# Altium PCB STM32H743VIT6_Test_B'd.PcbDoc (part 2 of 2)
Units mm, origin at the board's own origin, x right, y up, seen from the top; angles counter-clockwise.
Board outline 180 x 120 mm, 4 copper layers (Top, Inner Layer 1, Inner Layer 2, Bottom), stack 1.97 mm thick; 153 components, 129 nets, 607 pads, 708 vias.
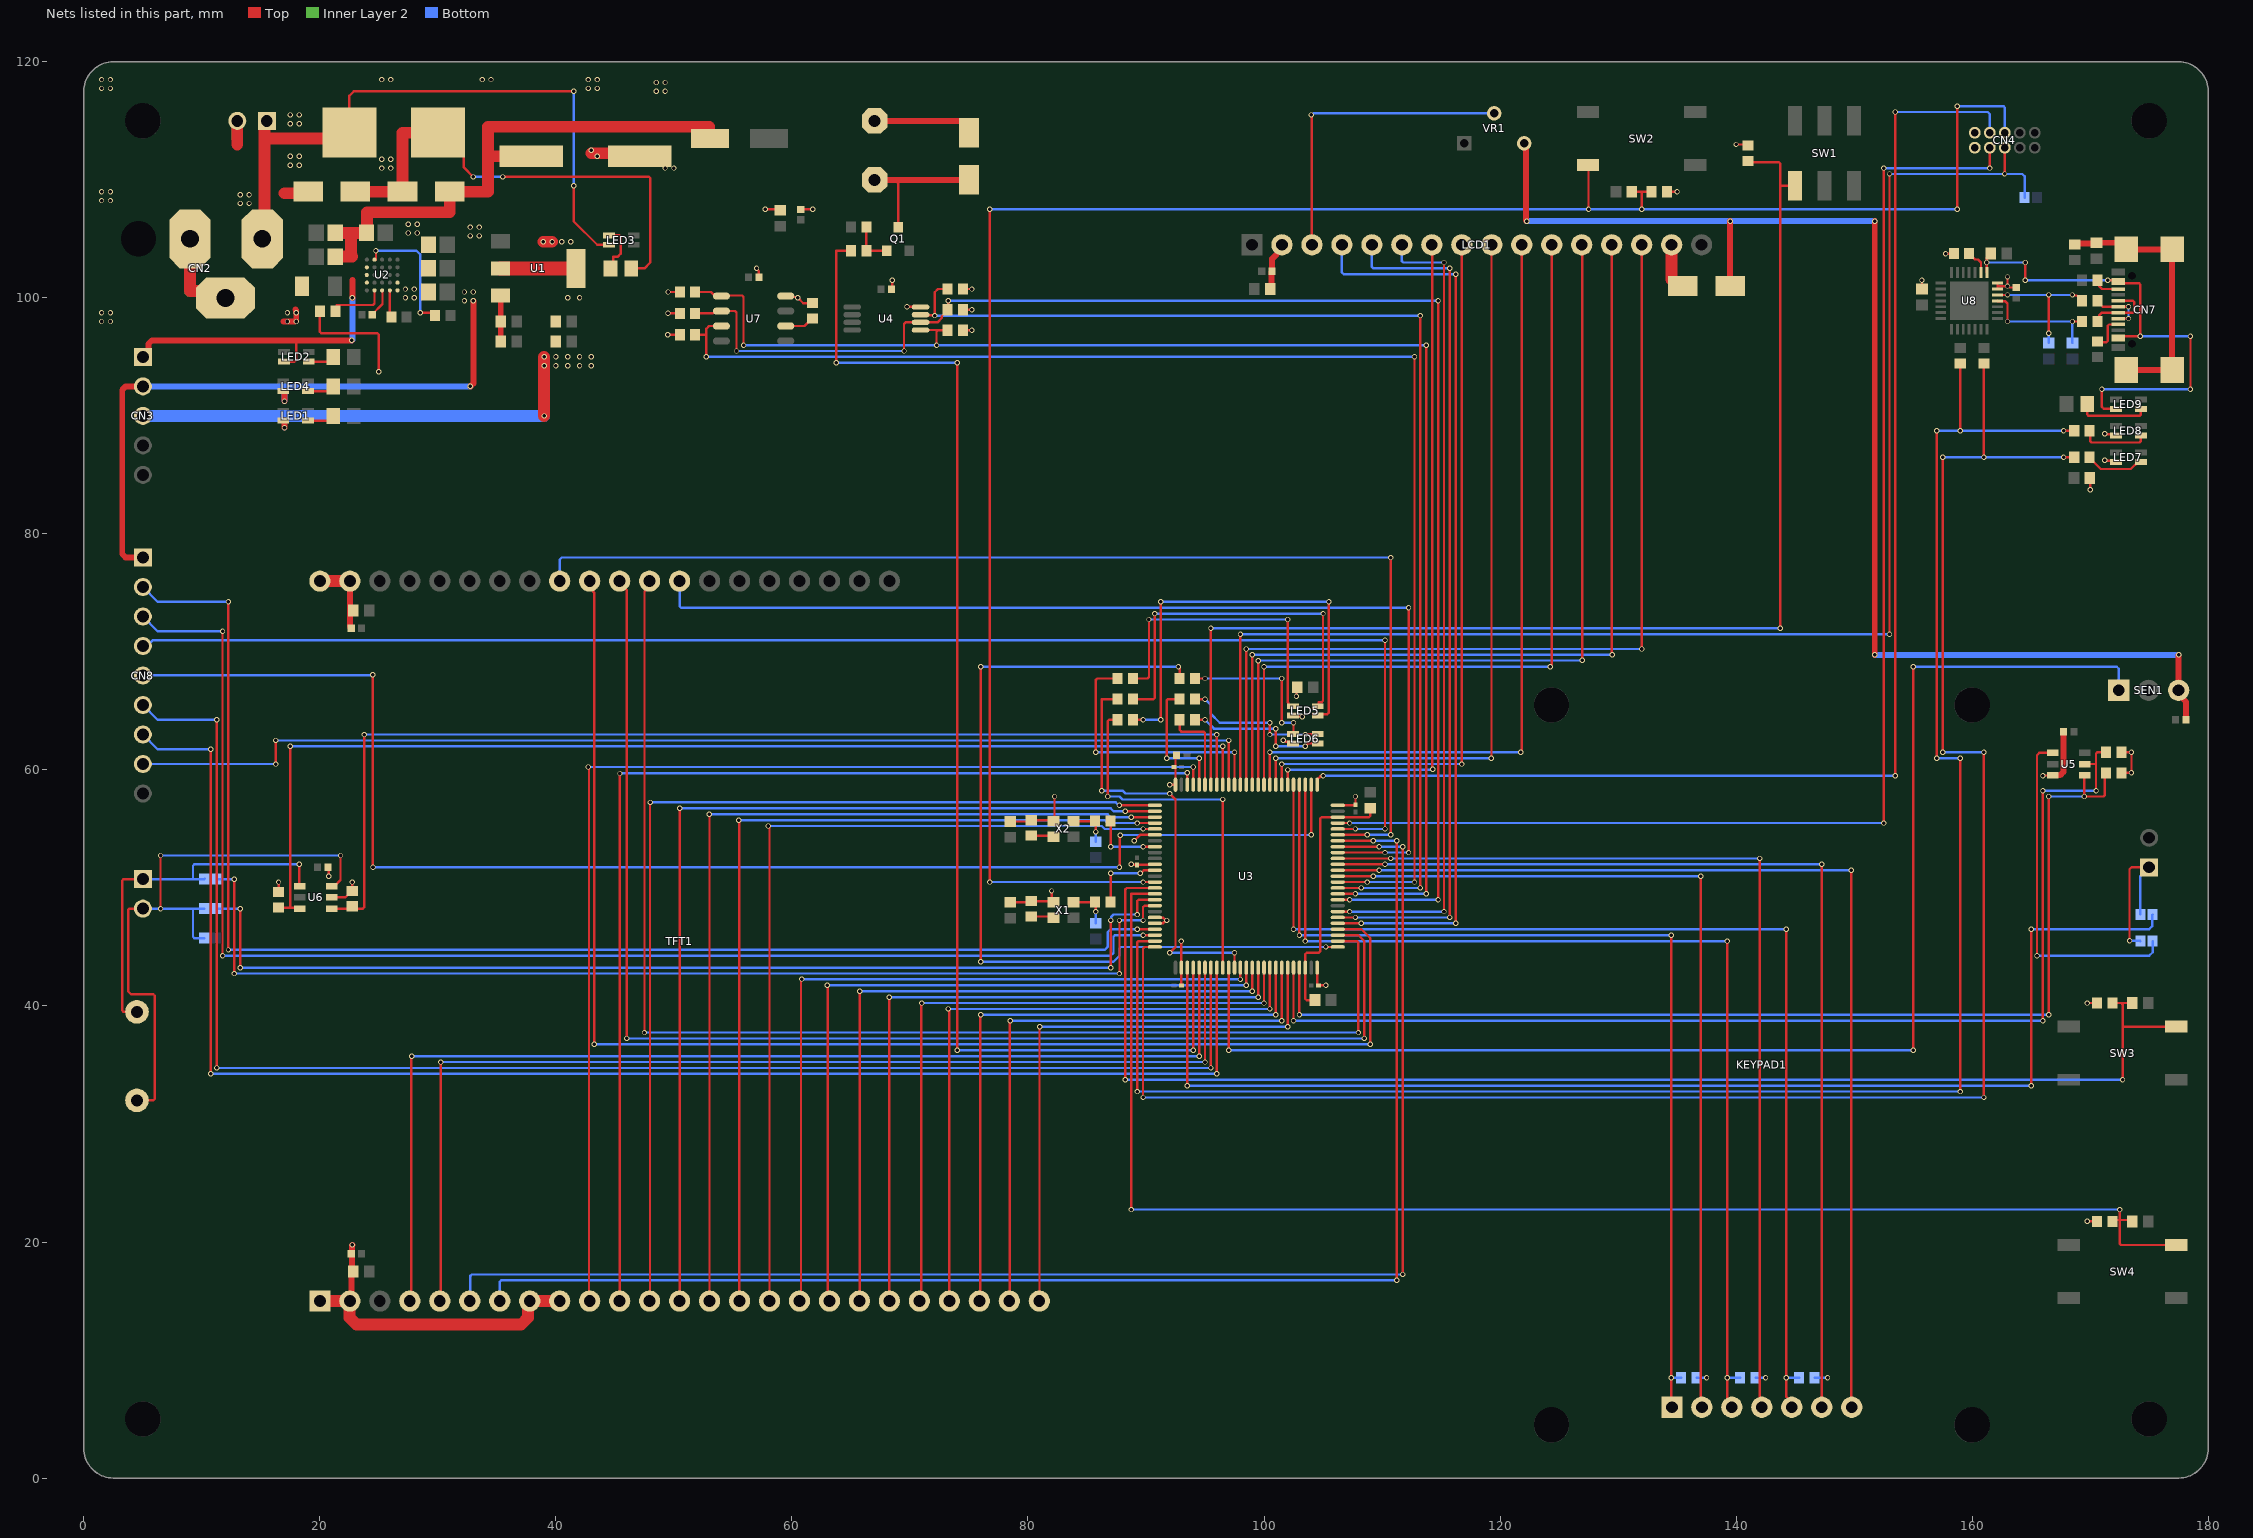
[diagram p4: the nets of this part, all layers, seen from the top]

## Via types
v1: diameter 0.45, hole 0.3, Top to Bottom, tented both sides, 699 vias
v2: diameter 0.5, hole 0.2, Top to Bottom, 9 vias

## Nets (pads, with @x,y where several pads share a name; then routed paths per layer and width w, separated by ;. In a path a pad name is that pad's centre, name@x,y a point inside that pad or via, vN(x,y) a via of type N, cw(c..) or ccw(c..) an arc to the next point about the centre after c; other vN are vias at no path point) (continued)
DP3.3VS: C3.2 C4.2 C13.2 C15.2 C17.2 C18.2 C19.2 C20.2 C21.2 C22.2 C25.2 C26.1 C31.2 C32.2 C33.2 C34.2 C38.2 C39.2 C40.2 C44.1 C45.2 C47.2 CN3.3 CN4.1 CN4.2 LED1.4 LED5.4 LED6.4 LED7.4 LED8.4 R6.2 R11.2 R13.2 R14.2 R15.2 R16.2 R17.2 R18.2 R21.2 R22.2 R29.2 R30.2 R31.2 R32.2 R33.1 R34.1 R35.1 R36.2 R37.2 R38.2 R39.2 R40.1 TFT1.1 TFT1.2 TFT1.8 TFT1.9 TFT1.26 TFT1.27 U1.2 U1.4 U3.6 U3.11 U3.20 U3.21 U3.27 U3.50 U3.75 U3.100 U4.8 U5.3 U6.5 U7.8 U8.6 U8.7 X1.4 X2.4 | length 160.1
  Top w0.2: R31.2@16.5,49.65 v1(16.5,50.5) ; R6.2@20.005,98.861 20,98.856 20,97.117 20.117,97 24.883,97 25,96.883 v1(25,93.75) ; C39.2@20.69,51.75 20.75,51.69 v1(20.75,51) ; U6.5@21,49.2 22.15,49.2 22.7,49.75 R32.2@22.75,49.75 v1(22.75,50.5) ; v1(49.487,96.871) 50.499,96.871 R37.2@50.5,96.87 ; v1(49.496,98.687) 50.498,98.687 R38.2@50.5,98.689 ; v1(49.5,100.5) R39.2@50.5,100.5 ; v1(57,102.5) 57,102.457 57.19,102.267 C40.2@57.19,101.75 ; U7.8@59.475,100.155 59.552,100.078 60.354,100.078 60.432,100 v1(60.5,100) 60.95,99.55 R36.2@61.75,99.55 ; C25.2@68.44,100.75 68.5,100.81 v1(68.5,101.5) ; v1(69.75,99.25) 69.762,99.238 70.888,99.238 U4.8@70.9,99.225 ; R17.2@74.5,97.25 v1(75.25,97.25) ; R16.2@74.5,99 v1(75.25,99) ; R18.2@74.5,100.75 v1(75.25,100.75) ; C13.2@78.5,48.778 80.175,48.778 R11.2@80.28,48.883 X1.4@82.045,48.883 ; C15.2@78.5,55.634 80.175,55.634 R13.2@80.28,55.739 82.011,55.739 82.25,55.978 v1(82.25,57.75) ; v1(82,49.75) 82,48.928 X1.4@82.045,48.883 ; X1.4@82.15,48.778 X1.4@82.045,48.883 ; X2.4@82.15,55.65 X2.4@82.5,56 ; v1(88.75,52) 88.78,51.97 89.22,51.97 C18.2@89.25,51.94 89.291,51.981 90.731,51.981 U3.11@90.75,52 ; v1(89,54) 89.5,54.5 U3.6@90.75,54.5 ; U3.21@90.75,47 90.769,47.019 91.451,47.019 v1@91.682,47.25 ; U3.20@90.75,47.5 90.769,47.481 91.451,47.481 v1@91.682,47.25 ; v1(91.75,47.25) v1@91.682,47.25 ; v1(92,58.75) U3.100@92.5,58.75 92.5,61.15 C17.2@92.6,61.25 ; C19.2@93,41.75 U3.27@93,43.25 v1(93,45.5) ; v1(101.633,62.52) 101.7,62.52 101.82,62.4 102.3,62.4 LED6.4@102.45,62.25 ; LED5.4@102.45,64.6 102.502,64.548 103.202,64.548 v1(103.25,64.5) ; v1(102.75,66.25) 102.75,66.925 C26.1@102.825,67 ; U3.50@104.5,43.25 104.5,41.845 104.595,41.75 C20.2@104.62,41.75 v1(105.25,41.75) ; U3.75@106.25,57 106.269,57.019 107.709,57.019 C21.2@107.75,57.06 v1(107.75,57.75) ; R15.2@134.15,109 v1(135,109) ; v1(140,113) 140.9,113 R14.2@141,112.9 ; C45.2@155.75,100.75 v1(155.75,101.5) ; v1(157.75,103.75) R40.1@158.45,103.75 ; U8.6@162.15,100.75 162.15,101 ; U8.7@162.15,101.25 162.15,101 ; v1(163,101.773) v1(163,101) ; C47.2@163.75,100.88 163.188,100.88 163.068,101 v1(163,101) ; v1(166,59.5) 166.025,59.525 166.815,59.525 U5.3@166.84,59.55 ; v1(169.75,21.75) R22.2@170.6,21.75 ; v1(169.75,40.25) R21.2@170.6,40.25 ; C44.1@169.98,84.75 170,84.73 v1(170,83.75) ; v1(171.25,86.25) 171.298,86.202 172.098,86.202 LED7.4@172.2,86.1 ; v1(171.25,88.5) 171.298,88.452 172.098,88.452 LED8.4@172.2,88.35 ; R30.2@172.65,59.75 v1(173.5,59.75) v1(173.5,61.5) R29.2@172.65,61.5 ; 162.15,101 v1(163,101)
  Top w0.5: LED1.4@16.9,89.6 17,89.6 v1(17,89) ; TFT1.2@22.54,15 22.682,15.142 22.682,17.358 C32.2@22.825,17.5 22.71,17.615 22.71,18.95 C34.2@22.66,19 22.71,19.05 22.71,19.71 v1(22.75,19.75) ; TFT1.27@22.54,76 22.54,72.14 22.66,72.02 C33.2@22.66,72 ; U5.3@166.84,59.55 167.457,59.55 167.75,59.843 C38.2@167.75,63.25
  Top w1: TFT1.1@20,15 TFT1.2@22.54,15 22.52,14.98 22.52,13.586 23.106,13 37.041,13 37.627,13.586 37.627,14.847 TFT1.8@37.78,15 TFT1.9@40.32,15 ; TFT1.26@20,76 TFT1.27@22.54,76 ; v1(38.921,104.765) v1(39.671,104.765) ; v1(39,90) v1(39,95)
  Top w1.2: U1.2@35.3,102.5 U1.4@41.7,102.5
  Bottom w0.2: R34.1@136.65,8.5 v1(137.5,8.5) ; R33.1@141.65,8.5 v1(142.5,8.5) ; R35.1@146.65,8.5 v1(147.75,8.5)
  Bottom w1: CN3.3@5,90 v1(39,90)
  other v1: 39,94.25 40,94.25 41,94.25 42,94.25 43,94.25 40,95 41,95 42,95 43,95 41,100 42,100 40.5,104.75 41.25,104.75
DP5VS: BZ1.1 C1.2 C2.2 C8.2 C9.2 C10.2 C29.2 C30.2 C35.2 C36.2 C37.2 CN3.2 CN8.1 D2.1 D3.2 LCD1.2 LED4.4 SEN1.3 U1.3 U2.E1 U2.E2 VR1.3 | length 183.9
  Top w0.2: v1(57.75,107.5) 58.925,107.5 C35.2@59,107.425 ; C37.2@60.75,107.5 v1(61.75,107.5)
  Top w0.5: CN8.1@5,78 3.543,78 3.25,78.293 3.25,92.207 3.543,92.5 CN3.2@5,92.5 ; LED4.4@16.9,92.1 17,92.1 v1(17,91.25) ; v1(32.75,92.5) 33,92.75 v1(33,99.75) ; U1.3@35.3,100.2 35.325,100.175 C1.2@35.325,98 C2.2@35.325,96.3 ; BZ1.1@67,115 74.4,115 75,114.4 D3.2@75,114 ; C29.2@100.525,100.75 100.64,100.865 100.64,102.2 C30.2@100.69,102.25 100.69,103.32 101.52,104.15 LCD1.2@101.52,104.5 ; VR1.3@122.04,113.093 122.202,112.931 122.202,106.548 v1(122.25,106.5) ; D2.1@139.5,101 v1(139.5,106.5) ; v1(151.75,69.75) v1(151.75,106.5) ; v1(177.5,69.75) SEN1.3@177.5,66.75 177.5,66.398 178.13,65.768 C36.2@178.13,64.25
  Bottom w0.5: CN3.2@5,92.5 17,92.5 ; v1(17,91.25) 17,92.5 ; v1(32.75,92.5) 17,92.5 ; v1(122.25,106.5) v1(139.5,106.5) v1(151.75,106.5) ; v1(151.75,69.75) v1(177.5,69.75)
  other v1: 32.25,99.75 27.25,100 28,100 32.25,100.5 33,100.5 27.25,100.75 28,100.75 32.75,105.25 33.5,105.25 27.5,105.5 28.25,105.5 32.75,106 33.5,106 27.5,106.25 28.25,106.25
EXT_12MHZ_CLK: R10.1 U3.12 | length 6.3
  Top w0.2: R10.1@86.987,48.803 87,48.816 v1(87,51.25) ; v1(89.5,51.25) 89.568,51.25 89.818,51.5 U3.12@90.75,51.5
  Bottom w0.2: v1(87,51.25) v1(89.5,51.25)
EXT_32.768KHZ_CLK: R12.1 U3.8 | length 5.9
  Top w0.2: R12.1@86.987,55.675 87,55.662 v1(87,53.5) ; v1(89.75,53.5) U3.8@90.75,53.5
  Bottom w0.2: v1(87,53.5) v1(89.75,53.5)
EXT_ANALOG_SIG_N: CN6.2 SB3.2 SB5.1 TP1.1 U6.6 | length 52.3
  Top w0.2: TP1.1@4.5,32 5.883,32 6,32.117 6,40.883 5.883,41 4,41 3.75,41.25 3.75,48.133 3.867,48.25 CN6.2@5,48.25 ; v1(6.5,48.25) v1(6.5,52.75) ; U6.6@21,50.15 21.225,50.15 21.75,50.675 v1(21.75,52.75)
  Bottom w0.2: CN6.2@5,48.25 v1(6.5,48.25) 9.25,48.25 ; v1(6.5,52.75) v1(21.75,52.75) ; SB3.2@10.2,45.75 9.367,45.75 9.25,45.867 9.25,48.25 ; SB5.1@10.2,48.25 9.25,48.25
EXT_ANALOG_SIG_OUT: CN5.1 SB2.2 SB6.2 | length 13
  Top w0.2: v1(173.339,45.536) 173.339,51.589 173.5,51.75 CN5.1@175,51.75
  Bottom w0.2: v1(173.339,45.536) 174.214,45.536 SB6.2@174.25,45.5 ; SB2.2@174.25,47.75 174.25,51 CN5.1@175,51.75
EXT_ANALOG_SIG_P: CN6.1 SB4.1 TP2.1 U6.1 | length 31.4
  Top w0.2: TP2.1@4.5,39.5 3.367,39.5 3.25,39.617 3.25,50.633 3.367,50.75 CN6.1@5,50.75 ; v1(18.25,52) 18.25,50.2 U6.1@18.3,50.15
  Bottom w0.2: CN6.1@5,50.75 9.25,50.75 ; SB4.1@10.25,50.8 SB4.1@10.2,50.75 9.25,50.75 ; v1(18.25,52) 9.367,52 9.25,51.883 9.25,50.75
GNDPWR: CN1.2 CN2.2 CN2.3 EC1.2 R1.1 ZD1.1 | length 27.1
  Top w0.5: 16.921,98.015 17.235,98.015 v1(17.25,98) 17.906,98 18,98.094 v1(18,98.75) 17.979,98.771 17.979,98.956 17.921,99.015
  Top w1: CN2.3@9,105 9,100.586 11.408,100.586 CN2.2@11.997,99.996 ; 13,113 CN1.2@13,115 ; 17,108.873 18.873,108.873 ZD1.1@19,109 ; 43,112.25 46.85,112.25 EC1.2@47.1,112
  Inner Layer 2 w1: CN2.3@9,105 9,100.582 11.411,100.582 CN2.2@11.997,99.996 ; 13,113.5 CN1.2@13,115
  other v1: 1.5,98 2.25,98 18,98 1.5,98.75 2.25,98.75 17.25,98.75 13.25,108 14,108 1.5,108.25 2.25,108.25 13.25,108.75 14,108.75 1.5,109 2.25,109 25.25,111 26,111 49.25,111 50,111 17.5,111.25 18.25,111.25 25.25,111.75 26,111.75 17.5,112 18.25,112 43.5,112 43,112.5 17.5,114.75 18.25,114.75 17.5,115.5 18.25,115.5 48.5,117.5 49.25,117.5 1.5,117.75 2.25,117.75 42.75,117.75 43.5,117.75 48.5,118.25 49.25,118.25 1.5,118.5 2.25,118.5 25.25,118.5 26,118.5 33.75,118.5 34.5,118.5 42.75,118.5 43.5,118.5
IN24VS: CN1.1 CN2.1 FH1.1 LED3.4 | length 54.7
  Top w0.2: FH1.1@22.5,114 22.5,117.133 22.867,117.5 v1(41.5,117.5) ; v1(41.5,109.5) 41.5,106.5 43.5,104.5 LED3.4@44.5,104.5
  Top w1: CN2.1@15.121,105 15.311,105.189 15.311,113.5 ; CN1.1@15.5,115 15.311,114.811 15.311,113.5 ; FH1.1@22.5,114 22,113.5 15.311,113.5
  Bottom w0.2: v1(41.5,109.5) v1(41.5,117.5)
LTM8074_FB: R8.2 U2.D1 | length 2.3
  Top w0.2: U2.D1@25.926,100.64 25.926,98.515 R8.2@26.051,98.39
LTM8074_PG: R6.1 U2.B1 | length 5
  Top w0.2: R6.1@21.305,98.861 21.422,98.978 21.422,99.4 24.508,99.4 24.626,99.517 U2.B1@24.626,100.64
LTM8074_RT: R7.2 U2.B5 | length 11.2
  Top w0.2: U2.B5@24.626,103.24 24.75,103.24 v1(24.75,104) ; v1(28.5,98.75) 29.75,98.75 R7.2@29.75,98.5
  Bottom w0.2: v1(24.75,104) 28.189,104 28.5,103.689 v1(28.5,98.75)
LTM8074_TR/SS: C11.2 U2.C1 | length 2.4
  Top w0.2: C11.2@24.44,98.59 24.44,98.61 25.3,99.47 25.3,100.616 U2.C1@25.276,100.64
MCU_ADC3_INN1: SB5.2 U3.17 | length 90
  Top w0.2: v1(13.25,43.25) v1(13.25,48.25) ; v1(87,43.25) v1(87,47.25) ; v1(89.25,47.75) 89.25,48.883 89.367,49 U3.17@90.75,49
  Bottom w0.2: SB5.2@11.25,48.25 v1(13.25,48.25) ; v1(13.25,43.25) v1(87,43.25) ; v1(87,47.25) 87.046,47.296 87.046,47.546 87.25,47.75 v1(89.25,47.75)
MCU_ADC3_INP1: SB4.2 U3.18 | length 93.2
  Top w0.2: v1(12.75,42.75) v1(12.75,50.75) ; v1(87.75,42.75) v1(87.75,47.25) ; v1(89.75,47.25) 89.75,48.383 89.867,48.5 U3.18@90.75,48.5
  Bottom w0.2: SB4.2@11.25,50.75 v1(12.75,50.75) ; v1(12.75,42.75) v1(87.75,42.75) ; v1(87.75,47.25) v1(89.75,47.25)
MCU_ADC_I2C1_SCL: R31.1 U3.92 U6.3 | length 97.8
  Top w0.2: R31.1@16.5,48.35 16.535,48.315 17.5,48.315 ; v1(17.5,62) 17.5,48.315 ; U6.3@18.3,48.25 18.235,48.315 17.5,48.315 ; U3.92@96.5,58.75 v1(96.5,62)
  Bottom w0.2: v1(17.5,62) v1(96.5,62)
MCU_ADC_I2C1_SDA: R32.1 U3.93 U6.4 | length 94.1
  Top w0.2: U6.4@21,48.25 22.55,48.25 R32.1@22.75,48.45 22.95,48.25 23.633,48.25 23.75,48.367 v1(23.75,63) ; U3.93@96,58.75 v1(96,63)
  Bottom w0.2: v1(23.75,63) v1(96,63)
MCU_BOOT0: R14.1 SW1.1 U3.94 | length 105
  Top w0.2: U3.94@95.5,58.75 v1(95.5,72) ; R14.1@141,111.6 141.1,111.5 143.633,111.5 143.75,111.383 143.75,109.5 ; v1(143.75,72) 143.75,109.5 ; SW1.1@145,109.5 143.75,109.5
  Bottom w0.2: v1(95.5,72) v1(143.75,72)
MCU_BUZZER_EN: R27.2 U3.29 | length 106.3
  Top w0.2: v1(63.75,94.5) 63.75,104 R27.2@65,104 ; v1(74,36.25) v1(74,94.5) ; v1(94,36.25) U3.29@94,43.25
  Bottom w0.2: v1(63.75,94.5) v1(74,94.5) ; v1(74,36.25) v1(94,36.25)
MCU_CHAR_LCD_DATA0: LCD1.7 U3.81 | length 58
  Top w0.2: U3.81@102,58.75 v1(102,60) ; LCD1.7@114.22,104.5 114.257,104.463 114.257,60.084 v1(114.294,60.047)
  Bottom w0.2: v1(102,60) 102.023,60.023 114.271,60.023 v1(114.294,60.047)
MCU_CHAR_LCD_DATA1: LCD1.8 U3.82 | length 61
  Top w0.2: U3.82@101.5,58.75 v1(101.5,60.5) ; v1(116.75,60.5) 116.755,60.505 116.755,104.495 LCD1.8@116.76,104.5
  Bottom w0.2: v1(101.5,60.5) v1(116.75,60.5)
MCU_CHAR_LCD_DATA2: LCD1.9 U3.83 | length 64
  Top w0.2: U3.83@101,58.75 v1(101,61) ; v1(119.25,61) 119.275,61.025 119.275,104.475 LCD1.9@119.3,104.5
  Bottom w0.2: v1(101,61) v1(119.25,61)
MCU_CHAR_LCD_DATA3: LCD1.10 U3.84 | length 67
  Top w0.2: U3.84@100.5,58.75 v1(100.5,61.5) ; v1(121.75,61.5) 121.75,61.568 121.84,61.658 LCD1.10@121.84,104.5
  Bottom w0.2: v1(100.5,61.5) v1(121.75,61.5)
MCU_CHAR_LCD_DATA4: LCD1.11 U3.85 | length 70.1
  Top w0.2: U3.85@100,58.75 v1(100,68.75) ; v1(124.25,68.75) 124.25,68.818 124.38,68.948 LCD1.11@124.38,104.5
  Bottom w0.2: v1(100,68.75) v1(124.25,68.75)
MCU_CHAR_LCD_DATA5: LCD1.12 U3.86 | length 73.2
  Top w0.2: U3.86@99.5,58.75 v1(99.5,69.25) ; LCD1.12@126.92,104.5 126.96,104.46 v1(126.96,69.29)
  Bottom w0.2: v1(99.5,69.25) 99.52,69.27 126.94,69.27 v1(126.96,69.29)
MCU_CHAR_LCD_DATA6: LCD1.13 U3.87 | length 76.3
  Top w0.2: U3.87@99,58.75 v1(99,69.75) ; LCD1.13@129.46,104.5 129.48,104.48 129.48,69.77 v1(129.5,69.75)
  Bottom w0.2: v1(99,69.75) v1(129.5,69.75)
MCU_CHAR_LCD_DATA7: LCD1.14 U3.88 | length 79.2
  Top w0.2: U3.88@98.5,58.75 v1(98.5,70.25) ; v1(132,70.25) LCD1.14@132,104.5
  Bottom w0.2: v1(98.5,70.25) v1(132,70.25)
MCU_CHAR_LCD_E: LCD1.6 U3.57 | length 69
  Top w0.2: U3.57@106.25,48 v1(107.25,48) ; v1(115.25,48) v1(115.25,103)
  Bottom w0.2: v1(107.25,48) v1(115.25,48) ; LCD1.6@111.68,104.5 111.68,103.117 111.797,103 v1(115.25,103)
MCU_CHAR_LCD_RS: LCD1.4 U3.55 | length 77.1
  Top w0.2: U3.55@106.25,47 v1(108.25,47) ; v1(116.25,47) v1(116.25,102)
  Bottom w0.2: LCD1.4@106.6,104.5 106.6,102.15 106.75,102 v1(116.25,102) ; v1(108.25,47) v1(116.25,47)
MCU_CHAR_LCD_RW: LCD1.5 U3.56 | length 73
  Top w0.2: U3.56@106.25,47.5 v1(107.75,47.5) ; v1(115.75,47.5) v1(115.75,102.5)
  Bottom w0.2: v1(107.75,47.5) v1(115.75,47.5) ; LCD1.5@109.14,104.5 109.14,102.617 109.257,102.5 v1(115.75,102.5)
MCU_DAC1_OUT: SB2.1 U3.28 | length 106.1
  Top w0.2: v1(93.5,33.25) U3.28@93.5,43.25 ; v1(165,33.25) v1(165,46.5)
  Bottom w0.2: v1(93.5,33.25) v1(165,33.25) ; v1(165,46.5) 175,46.5 175.25,46.75 175.25,47.7 SB2.1@175.3,47.75
MCU_DAC_I2C2_SCL: R29.1 U3.46 U5.5 | length 97
  Top w0.2: v1(102.5,38.75) U3.46@102.5,43.25 ; v1(166,38.75) v1(166,58.25) ; U5.5@169.54,60.5 170.5,60.5 ; v1(170.5,58.25) 170.5,60.5 ; R29.1@171.35,61.5 170.617,61.5 170.5,61.383 170.5,60.5
  Bottom w0.2: v1(102.5,38.75) v1(166,38.75) ; v1(166,58.25) v1(170.5,58.25)
MCU_DAC_I2C2_SDA: R30.1 U3.47 U5.4 | length 94.5
  Top w0.2: v1(103,39.25) U3.47@103,43.25 ; v1(166.5,39.25) v1(166.5,57.75) ; U5.4@169.54,59.55 169.5,59.51 v1(169.5,57.75) 171.133,57.75 171.25,57.867 171.25,59.65 R30.1@171.35,59.75
  Bottom w0.2: v1(103,39.25) v1(166.5,39.25) ; v1(166.5,57.75) v1(169.5,57.75)
MCU_EEPROM_WP: R18.1 U3.61 U4.7 | length 101.1
  Top w0.2: U4.7@70.9,98.575 70.937,98.538 72.063,98.538 v1(72.1,98.5) 72.1,100.483 72.367,100.75 R18.1@73.2,100.75 ; U3.61@106.25,50 v1(108.25,50) ; v1(113.25,50) v1(113.25,98.5)
  Bottom w0.2: v1(72.1,98.5) v1(113.25,98.5) ; v1(108.25,50) v1(113.25,50)
MCU_ETC_I2C4_SCL: R16.1 R38.1 U3.59 U4.6 U7.2 | length 129.2
  Top w0.2: R38.1@51.8,98.689 53.296,98.689 53.492,98.885 U7.2@54.025,98.885 55.183,98.885 55.3,98.768 v1(55.3,95.5) ; v1(69.5,95.5) 69.5,97.8 69.625,97.925 U4.6@70.9,97.925 72.325,97.925 72.7,98.3 72.7,98.45 73.2,98.95 R16.1@73.2,99 73.25,99.05 v1(73.25,99.75) ; U3.59@106.25,49 v1(107.25,49) ; v1(114.75,49) v1(114.75,99.75)
  Bottom w0.2: v1(55.3,95.5) v1(69.5,95.5) ; v1(73.25,99.75) v1(114.75,99.75) ; v1(107.25,49) v1(114.75,49)
MCU_ETC_I2C4_SDA: R17.1 R39.1 U3.60 U4.5 U7.1 | length 124.7
  Top w0.2: R39.1@51.8,100.5 53.147,100.5 53.492,100.155 U7.1@54.025,100.155 54.07,100.2 55.783,100.2 55.9,100.083 v1(55.9,96) ; U4.5@70.9,97.275 73.175,97.275 R17.1@73.2,97.25 72.367,97.25 72.25,97.133 v1(72.25,96) ; U3.60@106.25,49.5 v1(107.75,49.5) ; v1(113.75,49.5) v1(113.75,96)
  Bottom w0.2: v1(55.9,96) v1(72.25,96) v1(113.75,96) ; v1(107.75,49.5) v1(113.75,49.5)
MCU_EXT_PIN_OUT1: CN8.2 U3.22 | length 117.2
  Top w0.2: v1(12.25,44.75) v1(12.25,74.25) ; v1(89.25,46.5) U3.22@90.75,46.5
  Bottom w0.2: CN8.2@5,75.5 6.25,74.25 v1(12.25,74.25) ; v1(12.25,44.75) 86.5,44.75 86.75,45 86.75,46.25 87,46.5 v1(89.25,46.5)
MCU_EXT_PIN_OUT2: CN8.3 U3.23 | length 115.3
  Top w0.2: v1(11.75,44.25) v1(11.75,71.75) ; v1(89.75,46) U3.23@90.75,46
  Bottom w0.2: CN8.3@5,73 6.25,71.75 v1(11.75,71.75) ; v1(11.75,44.25) 87,44.25 87.25,44.5 87.25,45.883 87.367,46 v1(89.75,46)
MCU_EXT_PIN_OUT3: CN8.4 U3.71 | length 125.5
  Top w0.2: U3.71@106.25,55 v1(107.75,55) ; v1(110.25,55) v1(110.25,71)
  Bottom w0.2: CN8.4@5,70.5 5.358,70.5 5.858,71 v1(110.25,71) ; v1(107.75,55) v1(110.25,55)
MCU_EXT_PIN_OUT4: CN8.5 U3.77 | length 122.3
  Top w0.2: v1(24.48,68.054) 24.49,68.044 24.49,51.76 v1(24.5,51.75) ; v1(87.75,51.75) 87.781,51.781 87.781,54.447 v1(87.813,54.478) ; v1(104,54.5) U3.77@104,58.75
  Bottom w0.2: CN8.5@5,68 5.027,68.027 24.453,68.027 v1(24.48,68.054) ; v1(24.5,51.75) v1(87.75,51.75) ; v1(87.813,54.478) 87.824,54.489 103.989,54.489 v1(104,54.5)
MCU_EXT_PIN_OUT5: CN8.6 U3.32 | length 129
  Top w0.2: v1(11.25,34.75) v1(11.25,64.25) ; v1(95.5,34.75) U3.32@95.5,43.25
  Bottom w0.2: CN8.6@5,65.5 6.25,64.25 v1(11.25,64.25) ; v1(11.25,34.75) v1(95.5,34.75)
MCU_EXT_PIN_OUT6: CN8.7 U3.33 | length 128
  Top w0.2: v1(10.75,34.25) v1(10.75,61.75) ; v1(96,34.25) U3.33@96,43.25
  Bottom w0.2: CN8.7@5,63 6.25,61.75 v1(10.75,61.75) ; v1(10.75,34.25) v1(96,34.25)
MCU_EXT_PIN_OUT7: CN8.8 U3.91 | length 97.8
  Top w0.2: v1(16.25,60.5) v1(16.25,62.5) ; U3.91@97,58.75 v1(97,62.5)
  Bottom w0.2: CN8.8@5,60.5 v1(16.25,60.5) ; v1(16.25,62.5) v1(97,62.5)
MCU_IR_SEN_DATA_IN: SEN1.1 U3.35 | length 116.8
  Top w0.2: v1(97,36.25) U3.35@97,43.25 ; v1(155,36.25) v1(155,68.75)
  Bottom w0.2: v1(97,36.25) v1(155,36.25) ; v1(155,68.75) 172.25,68.75 172.42,68.58 SEN1.1@172.42,66.75
MCU_KEYPAD_COL1: KEYPAD1.3 R33.2 U3.78 | length 89.8
  Top w0.2: v1(103.5,45.5) U3.78@103.5,58.75 ; v1(139.25,45.5) v1(139.25,8.5) 139.25,6.75 139.64,6.36 KEYPAD1.3@139.64,6